# Altium PCB TC264PCB.PcbDoc (continued)
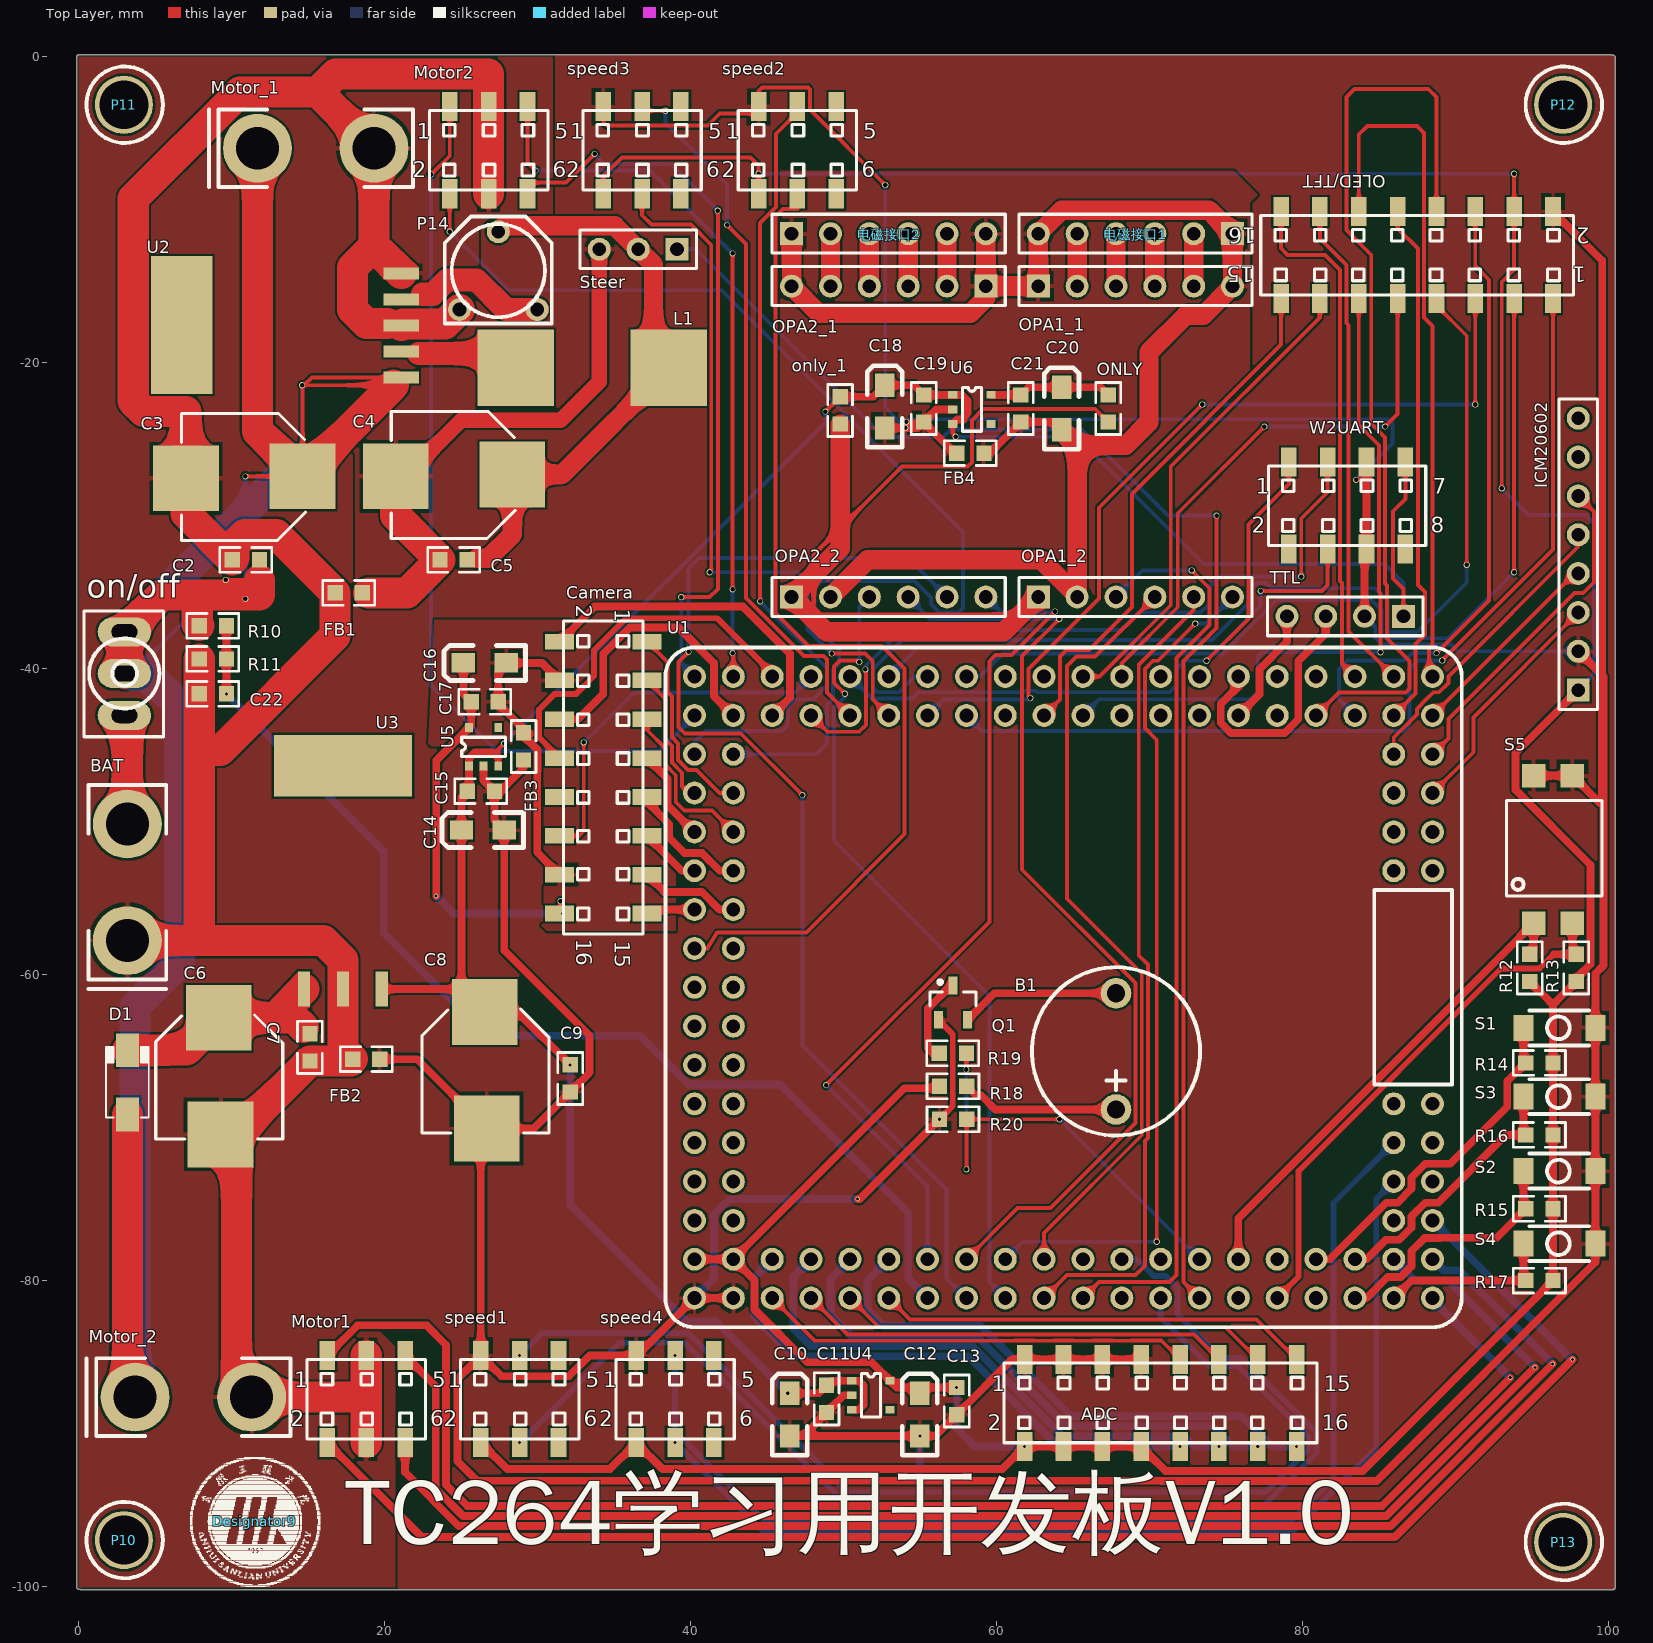
[diagram p0: Top Layer view]
## Nets (pads, with @x,y where several pads share a name; then routed paths per layer and width w, separated by ;. In a path a pad name is that pad's centre, name@x,y a point inside that pad or via, vN(x,y) a via of type N, cw(c..) or ccw(c..) an arc to the next point about the centre after c; other vN are vias at no path point) (continued)
  Bottom Layer w0.254: v1(33.731,-6.34) 34.392,-7 38.735,-7 v1(41.783,-10.048) ; v1(39.395,-35.321) 39.395,-39.649 U1.96
02.7: Motor2.2 U1.97 | length 77.9
  Top Layer w0.254: v1(24.257,-11.42) Motor2.2
  Bottom Layer w0.254: v1(24.257,-11.42) 28.092,-15.255 42.012,-15.255 57.81,-31.054 57.81,-36.033 57.506,-36.337 56.286,-36.337 55.728,-35.779 55.728,-35.349 54.633,-34.255 48.565,-34.255 48.108,-34.712 48.108,-37.176 49.708,-38.776 49.708,-39.69 49.327,-40.071 49.327,-41.951 48.92,-42.357 48.92,-44.897 48.225,-45.593 U1.97
02.8: speed2.3 U1.98 | length 52.4
  Top Layer w0.254: v1(44.552,-35.601) 44.552,-10.861 45.593,-9.82 45.593,-5.019 46.99,-3.622 speed2.3
  Bottom Layer w0.254: U1.98 40.259,-44.796 40.97,-44.084 45.974,-44.084 46.38,-43.678 46.38,-42.459 46.838,-42.002 48.006,-42.002 48.908,-41.099 48.908,-39.958 v1(44.552,-35.601)
10.1: speed3.4 U1.85 | length 47
  Top Layer w0.254: speed3.4 36.83,-10.353 37.44,-10.963 40.03,-10.963 41.354,-12.287 41.354,-33.591 v1(41.25,-33.696) ; v1(49.225,-39.004) 51.41,-39.004 51.918,-39.512 51.918,-42.012 U1.85
  Bottom Layer w0.254: v1(41.25,-33.696) 47.015,-33.696 47.65,-34.331 47.65,-37.43 v1(49.225,-39.004)
10.2: U1.86 W2UART.4 | length 34.1
  Top Layer w0.254: v1(77.279,-34.915) 81.28,-34.915 81.661,-34.534 W2UART.4
  Bottom Layer w0.254: U1.86 54.874,-38.598 74.577,-38.598 77.279,-35.896 v1(77.279,-34.915)
10.3: speed3.3 U1.87 | length 47.1
  Top Layer w0.254: speed3.3 36.83,-3.521 v1(38.354,-3.521) ; v1(42.393,-10.988) 43.637,-12.233 43.637,-35.39 47.43,-39.182 48.692,-39.182 48.92,-39.411 48.92,-41.554 U1.87
  Bottom Layer w0.254: v1(38.354,-3.521) 38.354,-4.308 42.393,-8.347 v1(42.393,-10.988)
10.5: U1.88 W2UART.1 | length 40.9
  Top Layer w0.254: v1(73.74,-39.484) 76.479,-36.744 76.479,-30.572 79.121,-27.93 W2UART.1
  Bottom Layer w0.254: U1.88 51.855,-41.949 54.512,-41.949 54.918,-41.542 61.773,-41.542 61.876,-41.439 62.589,-41.439 62.693,-41.542 71.323,-41.542 71.768,-41.097 71.768,-40.02 72.305,-39.484 v1(73.74,-39.484)
10.6: U1.89 W2UART.3 | length 47.9
  Top Layer w0.254: U1.89 48.951,-44.125 51.013,-44.125 51.46,-43.678 51.46,-40.071 v1(51.435,-40.046) ; v1(79.934,-33.975) 79.934,-30.191 81.661,-28.463 W2UART.3
  Bottom Layer w0.254: v1(51.435,-40.046) 51.435,-39.843 53.797,-37.48 68.148,-37.48 69.293,-36.335 73.355,-36.335 73.927,-35.763 73.927,-34.622 74.574,-33.975 v1(79.934,-33.975)
11.9: OLED/TFT.1 U1.81 | length 62.3
  Top Layer w0.254: v1(89.148,-39.462) 96.393,-32.217 OLED/TFT.1
  Bottom Layer w0.254: U1.81 59.07,-44.084 86.614,-44.084 87.02,-43.678 87.02,-40.02 87.579,-39.462 v1(89.148,-39.462)
11.10: OLED/TFT.3 U1.82 | length 59.5
  Top Layer w0.254: v1(93.853,-33.696) OLED/TFT.3
  Bottom Layer w0.254: U1.82 58.915,-40.513 60.423,-39.004 74.828,-39.004 78.308,-35.525 84.531,-35.525 85.178,-36.172 85.178,-37.785 85.405,-38.012 89.537,-38.012 v1(93.853,-33.696)
11.11: OLED/TFT.5 U1.83 | length 56
  Top Layer w0.254: v1(62.223,-41.919) 62.09,-41.785 62.09,-40.02 66.7,-35.41 66.7,-29.479 v1(73.457,-22.723) ; v1(91.313,-22.723) OLED/TFT.5
  Bottom Layer w0.254: U1.83 56.601,-41.951 56.674,-42.024 62.217,-42.024 62.223,-42.017 v1(62.223,-41.919) ; v1(73.457,-22.723) v1(91.313,-22.723)
11.12: OLED/TFT.7 U1.84 | length 70.1
  Top Layer w0.254: OLED/TFT.7 88.773,-16.246 90.754,-18.227 v1(90.754,-33.213)
  Bottom Layer w0.254: U1.84 54.651,-40.513 53.621,-41.542 52.222,-41.542 51.93,-41.25 51.93,-40.02 53.835,-38.115 74.084,-38.115 76.479,-35.72 76.479,-34.94 77.013,-34.407 77.648,-34.407 77.978,-34.737 84.746,-34.737 85.585,-35.575 85.585,-37.48 85.71,-37.605 87.518,-37.605 90.754,-34.37 v1(90.754,-33.213)
13.0: OLED/TFT.9 U1.74 | length 36.8
  Top Layer w0.254: U1.74 68.199,-39.639 71.857,-35.982 71.857,-29.835 v1(77.521,-24.171) ; v1(85.42,-24.171) 86.233,-23.358 OLED/TFT.9
  Bottom Layer w0.254: v1(77.521,-24.171) v1(85.42,-24.171)
13.1: OLED/TFT.11 U1.75 | length 46.2
  Top Layer w0.254: OLED/TFT.11 83.693,-24.069 85.014,-25.39 85.014,-34.969 85.115,-35.071 v1(85.115,-38.928)
  Bottom Layer w0.254: U1.75 66.71,-42.002 76.606,-42.002 77.089,-41.519 77.089,-39.208 77.368,-38.928 v1(85.115,-38.928)
13.2: OLED/TFT.13 U1.76 | length 31.8
  Top Layer w0.254: U1.76 66.741,-40.513 71.399,-35.855 71.399,-26.787 81.153,-17.033 OLED/TFT.13
13.3: OLED/TFT.15 U1.77 | length 34.5
  Top Layer w0.254: U1.77 64.16,-42.012 64.16,-39.208 64.595,-38.773 66.043,-38.773 68.859,-35.956 68.859,-28.565 78.613,-18.811 OLED/TFT.15
14.0: TTL.4 U1.67 | length 7.8
  Top Layer w0.508: U1.67 77.203,-41.669 77.203,-40.034 78.994,-38.243 TTL.4
14.1: TTL.3 U1.68 | length 16.7
  Top Layer w0.508: U1.68 75.819,-41.148 74.663,-42.304 74.663,-43.532 75.34,-44.209 78.838,-44.209 79.743,-43.305 79.743,-39.497 81.534,-37.706 TTL.3
15.0: OLED/TFT.12 U1.58 | length 45.8
  Top Layer w0.254: OLED/TFT.12 83.693,-5.07 84.252,-4.511 87.503,-4.511 87.96,-4.968 87.96,-17.033 88.519,-17.592 88.519,-38.43 88.291,-38.658 88.291,-39.941 88.519,-39.941 U1.58
15.1: OLED/TFT.10 U1.59 | length 34.5
  Top Layer w0.254: U1.59 87.415,-41.617 87.415,-38.381 88.012,-37.784 88.012,-34.992 87.554,-34.534 87.554,-12.538 86.233,-11.217 OLED/TFT.10
15.2: OLED/TFT.14 U1.60 | length 32.4
  Top Layer w0.254: OLED/TFT.14 81.153,-11.877 82.88,-13.604 82.88,-17.389 83.033,-17.541 83.033,-37.567 U1.60
15.3: OLED/TFT.6 U1.61 | length 40.9
  Top Layer w0.254: v1(88.773,-38.979) 92.202,-35.55 92.202,-14.57 91.313,-13.681 OLED/TFT.6
  Bottom Layer w0.254: U1.61 82.398,-42.012 82.398,-40.02 82.956,-39.462 86.698,-39.462 87.181,-38.979 v1(88.773,-38.979)
15.4: OLED/TFT.16 U1.62 | length 33.8
  Top Layer w0.254: OLED/TFT.16 78.613,-12.512 79.045,-12.944 81.483,-12.944 82.474,-13.935 82.474,-34.28 82.601,-34.407 82.601,-39.675 U1.62
15.5: OLED/TFT.8 U1.63 | length 61
  Top Layer w0.254: U1.63 82.408,-41.544 86.766,-41.544 87.008,-41.302 87.008,-39.487 85.547,-38.026 85.547,-34.559 85.42,-34.432 85.42,-24.882 84.506,-23.968 84.506,-12.944 82.88,-11.318 82.88,-2.632 83.414,-2.098 88.24,-2.098 88.773,-2.632 OLED/TFT.8
20.0: speed4.4 U1.44 | length 68.4
  Bottom Layer w0.381: v2(38.989,-90.607) 44.775,-96.393 79.375,-96.393 84.836,-90.932 84.836,-74.676 U1.44
20.3: speed4.3 U1.46 | length 75.3
  Bottom Layer w0.381: v2(38.989,-84.907) 38.989,-89.853 44.996,-95.86 79.146,-95.86 82.042,-92.964 82.042,-74.93 U1.46
20.11: ICM20602.3 U1.54 | length 15.8
  Top Layer w0.254: U1.54 91.186,-45.466 91.186,-43.18 ICM20602.3
20.12: ICM20602.5 U1.55 | length 19.6
  Top Layer w0.254: U1.55 85.979,-44.509 87.49,-42.998 87.49,-42.627 88.093,-42.024 88.574,-41.542 88.945,-41.542 89.548,-40.939 89.548,-40.515 98.044,-32.02 ICM20602.5
20.13: ICM20602.6 U1.56 | length 22
  Top Layer w0.254: U1.56 89.548,-44.564 89.548,-43.294 97.79,-35.052 98.37,-35.052 99.073,-34.349 99.073,-29.731 ICM20602.6
20.14: ICM20602.4 U1.57 | length 13.4
  Top Layer w0.254: U1.57 97.79,-33.782 ICM20602.4
21.2: Motor1.5 U1.38 | length 98.3
  Top Layer w0.508: Motor1.5 23.343,-86.914 23.343,-93.619 25.126,-95.402 85.491,-95.402 v2(95.209,-85.684)
  Bottom Layer w0.508: U1.38 87.363,-79.997 89.522,-79.997 v2(95.209,-85.684)
21.3: Motor1.1 U1.39 | length 99.2
  Top Layer w0.508: Motor1.1 18.232,-82.931 22.733,-82.931 24.003,-84.201 24.003,-93.345 25.4,-94.742 85.217,-94.742 v2(93.599,-86.36)
  Bottom Layer w0.508: U1.39 88.519,-81.28 v2(93.599,-86.36)
21.4: Motor1.6 U1.40 | length 93.5
  Top Layer w0.508: Motor1.6 21.336,-92.546 24.853,-96.063 85.764,-96.063 v2(96.374,-85.452)
  Bottom Layer w0.508: U1.40 89.242,-79.336 90.258,-79.336 v2(96.374,-85.452)
21.5: Motor1.2 U1.41 | length 101.7
  Top Layer w0.508: Motor1.2 22.423,-96.774 86.059,-96.774 v2(97.667,-85.165)
  Bottom Layer w0.508: U1.41 97.611,-85.165 v2(97.667,-85.165)
22.0: R14.2 S1.1 U1.34 | length 22.8
  Top Layer w0.508: U1.34 81.804,-78.613 85.5,-74.917 86.231,-74.917 87.135,-74.012 87.135,-73.281 88.04,-72.377 89.675,-72.377 93.408,-68.644 93.408,-66.967 94.599,-65.776 R14.2 94.465,-65.626 S1.1
22.1: R15.2 S2.1 U1.35 | length 16.7
  Top Layer w0.508: U1.35 84.201,-81.153 85.585,-79.769 86.458,-79.769 87.135,-79.092 87.135,-78.092 87.998,-77.229 88.998,-77.229 89.011,-77.216 92.71,-77.216 R15.2 94.465,-75.161 S2.1
22.2: R16.2 S3.1 U1.36 | length 18.1
  Top Layer w0.254: R16.2@94.465,-70.335 94.465,-70.399 94.869,-70.399 94.869,-70.485 R16.2
  Top Layer w0.508: U1.36 84.201,-78.613 85.471,-77.343 86.344,-77.343 87.135,-76.552 87.135,-75.821 88.04,-74.917 88.884,-74.917 93.316,-70.485 R16.2 ; R16.2@94.465,-70.335 S3.1
22.3: R17.2 S4.1 U1.37 | length 11.7
  Top Layer w0.254: R17.2@94.465,-79.86 94.615,-79.86 94.615,-79.997 R17.2
  Top Layer w0.508: U1.37 86.008,-81.153 87.165,-79.997 94.615,-79.997 R17.2 ; R17.2@94.465,-79.86 S4.1
33.6: speed1.4 U1.24 | length 80.4
  Bottom Layer w0.381: v2(28.829,-90.607) 35.362,-84.074 39.624,-84.074 50.292,-94.742 77.462,-94.742 80.924,-91.28 80.924,-89.949 76.04,-85.065 74.709,-85.065 71.832,-82.187 71.832,-80.468 71.07,-79.706 70.286,-79.706 69.193,-78.613 U1.24
33.7: speed1.3 U1.25 | length 72.7
  Bottom Layer w0.381: v2(28.829,-84.907) 30.297,-83.439 39.847,-83.439 50.261,-93.853 77.597,-93.853 80.391,-91.059 80.391,-90.17 75.819,-85.598 73.914,-85.598 70.739,-82.423 70.739,-81.915 U1.25
33.9: Steer.1 U1.27 | length 95.4
  Top Layer w0.254: U1.27 72.238,-80.112 72.238,-39.487 74.397,-37.328 v1(74.397,-29.987)
  Bottom Layer w0.254: Steer.1 40.345,-12.573 52.629,-24.857 56.515,-24.857 57.023,-24.349 65.583,-24.349 71.222,-29.987 v1(74.397,-29.987)
33.10: R19.1 R20.1 U1.28 | length 29.9
  Top Layer w0.254: v1(58.039,-72.736) 58.055,-72.72 R20.1 v1(64.125,-69.459) ; v1(58.039,-66.208) R19.1
  Bottom Layer w0.254: v1(58.039,-72.736) v1(58.039,-66.208) ; v1(64.125,-69.459) U1.28
33.12: R12.2 S5.1 U1.30 | length 32.3
  Top Layer w0.254: R12.2 94.869,-58.42 R12.2@95.123,-58.42
  Top Layer w0.508: U1.30 75.819,-75.946 S5.1 R12.2@95.123,-58.42
33.13: R13.2 S5.2 U1.31 | length 35.2
  Top Layer w0.254: R13.2@97.663,-58.42 97.917,-58.42 R13.2
  Top Layer w0.381: U1.31 79.756,-79.756 79.756,-72.853 93,-59.609 95.509,-59.609 96.444,-58.674
  Top Layer w0.508: 96.444,-58.674 R13.2 ; R13.2@97.663,-58.42 S5.2
A0: OPA1_2.3 U1.21 | length 59.9
  Top Layer w0.254: U1.21 66.71,-80.102 71.323,-80.102 71.78,-79.644 71.78,-39.309 73.939,-37.15 73.939,-34.737 v1(72.771,-33.569)
  Bottom Layer w0.254: OPA1_2.3 69.555,-33.569 v1(72.771,-33.569)
A1: OPA1_2.4 U1.20 | length 51.1
  Top Layer w0.254: U1.20 63.119,-76.895 69.504,-70.51 69.504,-59.929 64.618,-55.042 64.618,-39.822 65.227,-39.212 66.452,-39.212 OPA1_2.4
A2: OPA1_2.5 U1.19 | length 53
  Top Layer w0.254: U1.19 64.618,-79.654 69.095,-79.654 69.71,-79.039 69.71,-70.879 69.91,-70.678 69.91,-59.344 69.303,-58.737 69.303,-39.754 72.898,-36.16 OPA1_2.5
A3: OPA1_2.6 U1.18 | length 55.8
  Top Layer w0.254: v1(70.485,-77.47) 70.485,-44.657 69.71,-43.881 69.71,-40.02 70.246,-39.484 70.565,-39.484 v1(73,-37.049)
  Bottom Layer w0.254: U1.18 61.722,-77.47 v1(70.485,-77.47) ; v1(73,-37.049) 73.695,-37.049 OPA1_2.6
A4: OPA2_2.3 U1.17 | length 52.9
  Top Layer w0.254: v1(50.089,-41.639) 49.378,-40.927 49.378,-39.868 49.784,-39.462 50.927,-39.462 v1(51.029,-39.563)
  Bottom Layer w0.254: v1(50.089,-41.639) 50.089,-41.849 49.378,-42.56 49.378,-51.247 59.538,-61.407 59.538,-80.112 U1.17 ; v1(51.029,-39.563) 51.029,-35.966 OPA2_2.3
A5: OPA2_2.4 U1.16 | length 62.3
  Top Layer w0.254: U1.16 61.376,-75.276 63.525,-75.276 69.097,-69.704 69.097,-60.564 61.683,-53.149 61.683,-39.17 v1(64.11,-36.744)
  Bottom Layer w0.254: OPA2_2.4 55.667,-36.744 v1(64.11,-36.744)
A6: OPA2_2.5 U1.15 | length 76.2
  Top Layer w0.254: v1(39.878,-38.903) 39.218,-39.563 39.218,-43.83 39.624,-44.237 43.282,-44.237 v1(47.315,-48.271)
  Bottom Layer w0.254: v1(39.878,-38.903) 39.878,-33.416 40.538,-32.756 54.219,-32.756 OPA2_2.5 ; v1(47.315,-48.271) 47.315,-64.633 56.744,-74.061 56.744,-79.858 U1.15
A7: OPA2_2.6 U1.14 | length 56.9
  Top Layer w0.254: v1(48.87,-67.224) 59.538,-56.556 59.538,-39.512 59.944,-39.106 60.985,-39.106 v1(63.83,-36.261)
  Bottom Layer w0.254: v1(48.87,-67.224) 55.499,-73.853 U1.14 ; OPA2_2.6 60.34,-36.337 63.754,-36.337 v1(63.83,-36.261)
A8: C22.2 R10.2 R11.1 U1.13 | length 72.3
  Top Layer w0.508: v2(9.652,-41.646) R11.1 R10.2
  Bottom Layer w0.508: v2(9.652,-41.646) 19.939,-51.933 19.939,-57.277 26.67,-64.008 36.703,-64.008 39.878,-67.183 45.847,-67.183 54.229,-75.565 54.229,-79.883 U1.13
A10: ADC.16 U1.12 | length 35.7
  Bottom Layer w0.508: U1.12 51.575,-79.997 51.575,-81.915 52.578,-82.918 52.578,-82.982 58.987,-82.982 64.885,-88.88 76.042,-88.88 78.023,-90.861 v2(79.629,-90.861)
A11: ADC.15 U1.11 | length 28.3
  Top Layer w0.254: U1.11 54.356,-82.55 77.018,-82.55 ADC.15
A12: ADC.14 U1.10 | length 35.7
  Bottom Layer w0.508: U1.10 49.149,-79.883 49.149,-82.245 50.546,-83.642 58.713,-83.642 64.611,-89.54 74.162,-89.54 75.483,-90.861 v2(77.089,-90.861)
A13: ADC.13 U1.9 | length 28.3
  Top Layer w0.254: U1.9 52.324,-83.058 74.986,-83.058 ADC.13
A16: ADC.12 U1.8 | length 36
  Bottom Layer w0.508: U1.8 46.736,-79.756 46.736,-80.647 46.723,-80.661 46.723,-83.146 47.879,-84.303 58.44,-84.303 64.338,-90.201 72.283,-90.201 72.943,-90.861 v2(74.549,-90.861)
A17: ADC.11 U1.7 | length 28.4
  Top Layer w0.254: U1.7 50.267,-83.541 61.04,-83.541 61.055,-83.525 62.643,-83.525 62.658,-83.541 63.58,-83.541 63.595,-83.525 65.183,-83.525 65.198,-83.541 66.12,-83.541 66.135,-83.525 67.723,-83.525 67.738,-83.541 68.66,-83.541 68.675,-83.525 72.913,-83.525 ADC.11
A20: ADC.10 U1.6 | length 35.6
  Bottom Layer w0.508: U1.6 44.196,-79.756 44.196,-80.647 44.183,-80.661 44.183,-82.41 46.736,-84.963 58.166,-84.963 64.064,-90.861 v2(72.009,-90.861)
A21: ADC.9 U1.5 | length 28.4
  Top Layer w0.254: U1.5 48.133,-83.947 61.208,-83.947 61.223,-83.932 62.475,-83.932 62.49,-83.947 63.748,-83.947 63.763,-83.932 65.015,-83.932 65.03,-83.947 66.288,-83.947 66.303,-83.932 67.555,-83.932 67.57,-83.947 68.828,-83.947 68.843,-83.932 70.78,-83.932 ADC.9
GND5V: ADC.1 ADC.3 ADC.5 ADC.7 C8.2 C9.1 C10.2 C11.1 C12.2 C13.1 C14.2 C15.1 C18.2 C19.1 FB2.2 FB3.1 FB4.1 ICM20602.2 OLED/TFT.2 Q1.1 R20.2 S1.2 S2.2 S3.2 S4.2 S5.3 S5.4 speed1.1 speed2.1 speed3.1 speed4.1 TTL.2 U1.1 U1.3 U4.2 U5.2 U6.2 W2UART.5 W2UART.6 | length 435.2
  Top Layer w0.254: speed3.1 34.29,-4.257 34.519,-4.486 41.123,-4.486 41.91,-3.698 44.45,-3.698 speed2.1 44.45,-2.225 44.679,-1.997 47.676,-1.997 47.803,-2.124 47.803,-3.444 v1(52.73,-8.372) ; C18.2 v1(54.051,-24.257) ; v1(54.102,-23.866) 55.362,-23.866 FB4.1 ; v1(83.515,-27.651) 84.074,-27.651 84.201,-27.524 W2UART.5 ; ICM20602.2 99.47,-40.288 99.47,-48.797
  Top Layer w0.381: Q1.1 57.15,-63.901 57.15,-68.586 v2(56.277,-69.459)
  Top Layer w0.508: FB2.2 22.133,-65.532 C8.2 ; U5.2 26.467,-47.295 C15.1 ; FB3.1 29.083,-46.482 27.559,-48.006 C15.1 ; U1.3 U1.1 36.505,-84.907 speed4.1 33.404,-84.907 32.047,-86.263 27.645,-86.263 speed1.1 ; C10.2 47.358,-90.17 ; U4.2 50.025,-87.504 C11.1 47.358,-90.17 ; v2(50.927,-74.676) 51.06,-74.676 v2(56.277,-69.459) ; C18.2 54.864,-24.257 C19.1 ; U6.2 56.073,-23.048 C19.1 ; FB4.1 57.277,-25.908 C19.1 ; ADC.7 ADC.5 ADC.3 ADC.1 61.016,-85.161 C13.1 56.007,-90.17 v2(54.991,-90.17) 47.358,-90.17 ; TTL.2 84.074,-32.314 W2UART.6 W2UART.5 ; S5.4 S5.3 99.47,-48.797 ; OLED/TFT.2 99.607,-13.318 99.607,-40.211 99.5,-40.318 ; ICM20602.2 99.5,-40.318 ; speed1.1 24.765,-86.431 24.765,-91.821 26.035,-93.091 v2(54.991,-93.091) 70.765,-93.091 70.79,-93.116 84.861,-93.116 99.164,-78.814 S4.2 S2.2 S3.2 S1.2 99.164,-59.936 99.695,-59.405 99.695,-40.513 99.5,-40.318 ; speed1.1 26.289,-70.45 C8.2 ; C8.2 29.743,-70.069 C9.1 33.401,-66.411 33.401,-64.008 27.813,-58.42 C14.2 27.178,-49.911 C15.1
  Bottom Layer w0.254: v1(52.73,-8.372) 52.73,-22.936 v1(54.051,-24.257) ; v1(54.102,-23.866) 54.277,-23.691 85.623,-23.691 85.9,-23.968 85.9,-25.266 v1(83.515,-27.651) ; TTL.2 84.772,-37.274 84.772,-37.988 85.213,-38.43 89.729,-38.43 90.162,-38.862 ICM20602.2
  Bottom Layer w0.508: U1.1 41.529,-79.883 41.529,-75.692 42.532,-74.689 43.278,-74.689 43.291,-74.676 v2(50.927,-74.676) ; v2(54.991,-93.091) v2(54.991,-90.17)
GND_6.5V: C4.2 C5.1 FB1.2 Steer.3 | length 37.2
  Top Layer w0.254: FB1.2 FB1.2@18.948,-35.042
  Top Layer w1.016: C4.2 21.346,-27.422 25.019,-23.749 31.52,-23.749 34.036,-21.233 Steer.3
  Top Layer w2.032: FB1.2@18.948,-35.042 21.463,-35.042 C5.1 20.726,-29.987 C4.2
GNDBAT: BAT.1 C2.1 C3.2 C6.2 C7.1 C22.1 FB1.1 FB2.1 Motor1.3 Motor1.4 Motor2.3 Motor2.4 Motor_1.2 Motor_2.2 P14.1 R11.2 U2.3 U2.5 U3.2 | length 206.2
  Top Layer w0.254: BAT.1 5.613,-57.775 5.74,-57.648 7.874,-57.648 ; C6.2 14.072,-65.649 C7.1 ; U2.3@20.193,-17.423 20.193,-17.555 U2.3
  Top Layer w2.032: BAT.1 15.992,-57.775 17.272,-59.055 U3.2 17.272,-64.897 FB2.1 17.79,-65.649 C7.1 10.312,-70.45 10.312,-86.639 Motor_2.2 18.542,-87.63 18.796,-87.884 ; 7.874,-57.648 7.874,-45.339 ; R11.2 C22.1 7.874,-45.339 ; Motor1.4 18.796,-87.884 ; Motor1.3 18.796,-87.884 ; U2.3@20.193,-17.423 18.82,-17.423 17.907,-16.51 17.907,-13.774 19.304,-12.377 ; U2.3 21.181,-17.456 23.946,-17.456 P14.1 ; U2.5 19.304,-12.377 ; Motor2.4 Motor2.3 26.797,-1.128 16.779,-1.128 15.621,-2.286 ; 7.874,-45.339 9.271,-45.339 16.764,-37.846 FB1.1 12.937,-31.215 10.827,-31.215 10.143,-31.899 10.143,-32.773 C2.1 7.01,-29.86 C3.2 7.01,-23.194 4.247,-23.194 3.563,-22.51 3.563,-9.256 10.533,-2.286 15.621,-2.286 ; 15.621,-2.286 Motor_1.2 19.304,-12.377
GNDCAM: C16.2 C17.1 Camera.4 Camera.14 FB3.2 | length 20.5
  Top Layer w0.254: FB3.2 FB3.2@29.464,-44.196
  Top Layer w0.508: FB3.2 29.083,-44.399 29.989,-45.306 29.989,-46.66 29.972,-46.677 29.972,-51.999 Camera.14 ; FB3.2@29.464,-44.196 29.464,-44.323 27.432,-42.291 C17.1 27.432,-40.132 C16.2 30.297,-39.624 Camera.4
GNDOP: C20.2 C21.1 FB4.2 OPA1_1.1 OPA1_1.6 OPA1_2.2 OPA2_1.1 OPA2_1.6 OPA2_2.2 电磁接口1.1 电磁接口1.6 电磁接口2.1 电磁接口2.6 | length 98.5
  Top Layer w0.508: FB4.2 59.563,-25.908 C21.1 63.754,-23.876 C20.2
  Top Layer w1.27: 电磁接口2.1 OPA2_1.6 48.387,-16.764 58.293,-16.764 59.309,-15.748 OPA2_1.1 ; OPA2_2.2 51.572,-32.883 62.929,-32.883 OPA1_2.2@65.278,-35.232 ; 电磁接口2.6 OPA2_1.1 ; C20.2 65.278,-25.4 ; OPA1_2.2 OPA1_2.2@65.278,-35.232 ; OPA2_1.1 OPA1_1.1 电磁接口1.6 64.275,-10.02 73.901,-10.02 电磁接口1.1 OPA1_1.6 73.533,-16.891 72.39,-16.891 69.977,-19.304 69.977,-23.876 68.453,-25.4 65.278,-25.4 ; OPA1_2.2@65.278,-35.232 65.278,-25.4
NetB1_1: B1.1 R18.2 | length 10.4
  Top Layer w0.508: R18.2 58.647,-67.892 58.997,-67.892 59.929,-68.824 B1.1
NetB1_2: B1.2 Q1.2 | length 10.4
  Top Layer w0.508: Q1.2 59.859,-61.224 B1.2
NetBAT_2: BAT.2 on/off.1 | length 7.9
  Top Layer w0.254: on/off.1 3.48,-43.053 3.48,-43.145 3.175,-43.145 on/off.1@3.175,-43.244
  Top Layer w2.032: BAT.2 on/off.1@3.175,-43.244
NetC6_1: C6.1 C7.2 D1.2 U3.1 | length 17
  Top Layer w0.254: C7.2@14.707,-63.465 14.275,-63.465 14.275,-63.871 C7.2
  Top Layer w2.032: D1.2 7.028,-64.946 C6.1 12.852,-62.83 ; C7.2@14.707,-63.465 14.072,-62.83 12.852,-62.83 ; U3.1 12.852,-62.83
NetL1_1: L1.1 U2.2 | length 8.6
  Top Layer w0.254: U2.2 22.225,-19.255 U2.2@22.225,-19.387 ; L1.1@27.642,-20.32 L1.1@27.642,-19.387
  Top Layer w1.524: U2.2@22.225,-19.387 L1.1@27.642,-19.387
  Top Layer w2.032: L1.1@27.642,-20.32 L1.1
NetOPA1_1_2: OPA1_1.2 电磁接口1.5 | length 3.4
  Top Layer w1.27: OPA1_1.2 电磁接口1.5
NetOPA1_1_3: OPA1_1.3 电磁接口1.4 | length 3.4
  Top Layer w1.27: OPA1_1.3 电磁接口1.4
NetOPA1_1_4: OPA1_1.4 电磁接口1.3 | length 3.4
  Top Layer w1.27: OPA1_1.4 电磁接口1.3
NetOPA1_1_5: OPA1_1.5 电磁接口1.2 | length 3.4
  Top Layer w1.27: OPA1_1.5 电磁接口1.2
NetOPA2_1_2: OPA2_1.2 电磁接口2.5 | length 3.4
  Top Layer w1.27: OPA2_1.2 电磁接口2.5
NetOPA2_1_3: OPA2_1.3 电磁接口2.4 | length 3.4
  Top Layer w1.27: OPA2_1.3 电磁接口2.4
NetOPA2_1_4: OPA2_1.4 电磁接口2.3 | length 3.4
  Top Layer w1.27: OPA2_1.4 电磁接口2.3
NetOPA2_1_5: OPA2_1.5 电磁接口2.2 | length 3.4
  Top Layer w1.27: OPA2_1.5 电磁接口2.2
NetP14_2: P14.2 U2.4 | length 10.2
  Top Layer w0.254: U2.4 22.15,-15.855 22.479,-15.526
  Top Layer w1.524: 22.479,-15.526 23.146,-15.526 24.092,-14.58 26,-14.58 27.93,-16.51 P14.2
NetQ1_3: Q1.3 R19.2 | length 5.7
  Top Layer w0.508: R19.2 55.87,-65.141 55.51,-64.781 55.51,-62.224 57.016,-60.717 Q1.3
VCC3V3: ADC.2 ADC.4 ADC.6 ADC.8 C12.1 C13.2 ICM20602.1 OLED/TFT.4 R12.1 R13.1 R14.1 R15.1 R16.1 R17.1 R18.1 speed1.2 speed2.2 speed3.2 speed4.2 U1.2 U1.4 U4.5 | length 278.7
  Top Layer w0.254: speed3.2 34.29,-7.788 35.509,-6.569 43.917,-6.569 44.45,-7.102 v1(44.45,-7.635) speed2.2 ; U4.5 53.594,-86.554 54.416,-87.376 C12.1 ; v1(93.04,-28.209) 93.04,-14.722 93.853,-13.909 OLED/TFT.4 v1(93.853,-7.635) ; 96.203,-61.786 96.393,-61.786 ; 96.393,-61.976 96.393,-61.786 ; R13.1 96.584,-61.786 96.393,-61.786
  Top Layer w0.508: speed1.2 28.011,-92.329 34.727,-92.329 speed4.2 38.171,-92.329 60.381,-92.329 v2(61.849,-90.861) ADC.4 ADC.6 ADC.8 71.064,-92.456 83.947,-92.456 R17.1 R15.1 R16.1 R14.1 96.393,-61.976 ; U1.2 U1.4 ; R18.1 56.14,-67.437 53.975,-67.437 U1.4 ; v2(57.404,-86.995) 53.487,-86.995 U4.5 51.836,-85.344 47.627,-85.344 44.183,-81.899 44.183,-79.997 U1.4 ; R12.1 96.203,-61.786 ; 96.584,-61.786 R13.1 98.171,-60.198 97.968,-60.198 98.839,-59.326 98.839,-52.821 93.947,-47.928 93.947,-45.499 ICM20602.1
  Bottom Layer w0.254: v1(44.45,-7.635) v1(93.853,-7.635) ; v1(93.04,-28.209) 94.793,-29.962 98.552,-29.962 99.085,-30.495 99.085,-40.361 ICM20602.1
  Bottom Layer w0.508: v2(57.404,-86.995) 57.404,-89.662 58.603,-90.861 v2(61.849,-90.861)
VCC5V: C8.1 C9.2 C10.1 C11.2 C14.1 C15.2 C18.1 C19.2 only_1.1 TTL.1 U3.3 U4.1 U4.3 U5.1 U5.3 U6.1 U6.3 W2UART.7 | length 159.6
  Top Layer w0.254: U5.3 27.417,-45.832 27.417,-45.293 v1(27.813,-44.897) ; v2(46.355,-87.376) C10.1 ; v1(48.815,-23.194) only_1.1 ; U6.3 57.15,-24.653 v1(57.328,-24.831) ; TTL.1 86.614,-34.788 85.928,-34.102 85.928,-29.708 86.741,-28.895 W2UART.7
  Top Layer w0.508: U3.3 C8.1@25.044,-60.95 ; 27.417,-45.832 27.051,-45.466 25.908,-45.466 25.517,-45.857 U5.1 25.517,-47.889 C15.2 25.019,-48.387 C14.1 25.019,-60.925 C8.1@25.044,-60.95 ; v2(32.131,-65.903) 28.677,-62.449 C8.1 C8.1@25.044,-60.95 ; C10.1 48.374,-87.376 C11.2 49.197,-86.554 U4.1 50.994,-86.554 51.308,-86.868 51.308,-88.138 50.992,-88.454 U4.3 ; only_1.1 51.943,-22.225 C18.1 54.61,-21.463 C19.2 U6.1 57.729,-22.098 58.116,-22.485 58.116,-23.289 57.861,-23.543 57.861,-23.704 57.444,-23.704 U6.3
  Bottom Layer w0.254: v1(27.813,-44.897) 48.815,-23.895 v1(48.815,-23.194) ; v1(57.328,-24.831) 65.227,-24.831 73.558,-33.162 85.374,-33.162 86.614,-34.402 TTL.1
  Bottom Layer w0.508: v2(32.131,-65.903) 32.131,-75.057 39.751,-82.677 41.656,-82.677 v2(46.355,-87.376)
VCC_6.5V: C4.1 C5.2 L1.2 P14.3 Steer.2 | length 39.3
  Top Layer w0.254: C5.2 26.042,-32.883 26.042,-32.773
  Top Layer w1.27: 26.042,-32.773 26.79,-32.773 28.346,-31.217 C4.1 31.6,-27.295 L1.2 38.575,-19.538 37.579,-18.542 37.579,-13.576 Steer.2 35.039,-11.036 27.826,-11.036 P14.3
VCCBAT: C2.2 C3.1 D1.1 Motor_1.1 Motor_2.1 on/off.2 on/off.3 R10.1 U2.1 | length 185.1
  Top Layer w0.254: 7.747,-35.433 v1(10.897,-35.433) 11.547,-35.433 11.573,-35.179 11.675,-34.194 ; R10.1@7.849,-37.176 7.874,-37.176 R10.1 ; v1(9.611,-34.194) 11.675,-34.194 ; v1(10.897,-27.422) C3.1 14.63,-27.407 14.63,-21.565 v1@14.732,-21.463 ; 11.811,-34.194 11.675,-34.194 ; C2.2 11.675,-34.194 ; v1(14.605,-21.463) v1@14.732,-21.463 ; 20.574,-21.463 v1@14.732,-21.463 ; U2.1 15.24,-20.955 v1@14.732,-21.463
  Top Layer w2.032: on/off.2 on/off.3 5.397,-35.179 11.811,-35.179 11.811,-34.194 ; D1.1 3.175,-87.122 Motor_2.1 ; 7.747,-35.433 7.747,-37.074 R10.1@7.849,-37.176 ; Motor_1.1 11.684,-24.476 C3.1 14.63,-27.407 20.574,-21.463
  Bottom Layer w0.254: on/off.2@3.365,-40.44 v1(9.611,-34.194) ; v1(10.897,-35.433) v1(10.897,-27.422) ; 14.605,-27.432 v1(14.605,-21.463)
  Bottom Layer w2.032: on/off.3 13.144,-27.432 14.605,-27.432 ; on/off.2@3.365,-40.44 4.604,-40.44 6.593,-42.429 6.593,-59.191 3.683,-62.101 Motor_2.1
VCCCAM: C16.1 C17.2 Camera.16 U5.5 | length 26.8
  Top Layer w0.254: Camera.16 31.496,-56.007 v1(31.496,-55.21)
  Top Layer w0.508: v2(23.368,-54.864) 23.368,-46.004 U5.5 25.654,-43.718 C17.2 25.146,-41.656 C16.1
  Bottom Layer w0.254: v1(31.496,-55.21) 31.623,-55.337 v2(31.623,-56.007)
  Bottom Layer w0.508: v2(23.368,-54.864) 24.511,-56.007 v2(31.623,-56.007)
VCCOP: C20.1 C21.2 ONLY.1 U6.5 | length 8.1
  Top Layer w0.508: U6.5 C21.2 62.103,-21.59 C20.1 66.802,-21.59 ONLY.1
VCCOPA: ONLY.2 only_1.2 OPA1_2.1 OPA2_2.1 | length 74.6
  Top Layer w0.254: OPA1_2.1 61.605,-36.439 48.539,-36.439 48.057,-35.956 48.057,-32.545 53.815,-26.787 58.115,-26.787 58.395,-26.508 58.395,-23.764 59.131,-23.028 66.462,-23.028 ONLY.2
  Top Layer w1.27: only_1.2 49.784,-32.131 OPA2_2.1 48.895,-37.592 60.452,-37.592 OPA1_2.1
pads on no net: Camera.10 ICM20602.7 ICM20602.8 P10.0 P11.0 P12.0 P13.0 speed1.5 speed1.6 speed2.5 speed2.6 speed3.5 speed3.6 speed4.5 speed4.6 U1.22 U1.23 U1.26 U1.29 U1.32 U1.33 U1.42 U1.43 U1.45 U1.47 U1.48 U1.49 U1.50 U1.51 U1.52 U1.53 U1.64 U1.65 U1.66 U1.69 U1.70 U1.71 U1.72 U1.73 U1.78 U1.79 U1.80 U1.107 U1.109 U1.110 U1.111 U1.112 U1.113 U1.114 U1.115 U1.116 U1.117 U1.118 U1.119 U1.120 U1.121 U1.122 U2.0 U3.0 U4.4 U5.4 U6.4 W2UART.2 W2UART.8

## Polygon pours and split planes (outlines as drawn)
GND5V on Top Layer "Top Layer-No Net" (solid, remove dead copper, pour order 15): -0.127,-100.066 ccw(c0,-100.066) 0.046,-100.185 ccw(c0.127,-100.086) 0.127,-100.213 100.33,-100.213 ccw(c100.33,-100.086) 100.457,-100.086 100.457,-0.01 ccw(c100.33,-0.01) 100.284,0.109 ccw(c100.203,0.01) 100.203,0.137 0,0.137 ccw(c0,0.01) -0.127,0.01
GNDCAM on Top Layer "Top Layer-GNDCAM" (solid, remove dead copper, pour order 11): 22.86,-44.897 23.033,-45.071 30.394,-45.071 30.394,-56.601 30.226,-56.769 30.607,-57.15 39.03,-57.15 39.03,-35.22 36.512,-32.703 32.409,-36.806 23.241,-36.806
GND_6.5V on Top Layer "Top Layer-GND_6.5V" (solid, remove dead copper, pour order 9): 44.196,-10.353 43.893,-10.051 17.89,-10.051 17.89,-36.051 19.939,-38.1 44.831,-38.1 44.831,-10.845 44.196,-10.21
GNDOP on Top Layer "Top Layer-GNDOP" (solid, remove dead copper, pour order 7): 43.434,-7.432 75.504,-7.432 77.089,-9.017 76.581,-9.525 76.581,-39.106 45.166,-39.106 43.434,-37.374
GNDBAT on Top Layer "Top Layer-GNDBAT" (solid, remove dead copper, pour order 5): 0,0 31.115,0 30.988,-0.127 30.988,-10.287 27.051,-10.287 26.162,-11.176 26.162,-22.987 25.955,-23.194 20.367,-23.194 17.907,-25.654 17.907,-57.785 19.05,-58.928 19.05,-82.677 20.701,-84.328 20.701,-100.076 0,-100.076
GND5V on Bottom Layer "GND5V_L02_P018" (solid, remove dead copper, pour order 18): -0.127,-100.066 ccw(c0,-100.066) 0.046,-100.185 ccw(c0.127,-100.086) 0.127,-100.213 100.33,-100.213 ccw(c100.33,-100.086) 100.457,-100.086 100.457,-0.01 ccw(c100.33,-0.01) 100.284,0.109 ccw(c100.203,0.01) 100.203,0.137 0,0.137 ccw(c0,0.01) -0.127,0.01
GNDOP on Bottom Layer "GNDOP_L02_P017" (solid, remove dead copper, pour order 17): 43.434,-7.432 75.504,-7.432 77.089,-9.017 76.581,-9.525 76.581,-39.106 45.166,-39.106 43.434,-37.374
GNDBAT on Bottom Layer "GNDBAT_L02_P016" (solid, remove dead copper, pour order 16): 0,0 31.115,0 30.988,-0.127 30.988,-10.287 27.051,-10.287 26.162,-11.176 26.162,-22.987 25.955,-23.194 20.367,-23.194 17.907,-25.654 17.907,-57.785 19.05,-58.928 19.05,-82.677 20.701,-84.328 20.701,-100.076 0,-100.076

## Silkscreen, mask and mechanical layers (free items; w line width, h text height)
Top Overlay:
  text "TC264学习用开发板V1.0" at 17.399,-98.679 h7.5
Mechanical 13:
  lines w0.254: 0,-100.066 0,0.01 100.203,0.01 ; 0.127,-100.086 100.33,-100.086 100.33,-0.01

## Text inside footprints (layer, text, board x,y; h text height)
ADC: Top Overlay "2" at 59.436,-89.789 h1.02; Top Overlay "1" at 59.69,-87.249 h1.02; Top Overlay "15" at 81.407,-87.249 h1.02; Top Overlay "16" at 81.28,-89.789 h1.02
Camera: Top Overlay "2" at 32.512,-35.814 h1.02 r270; Top Overlay "1" at 35.052,-36.068 h1.02 r270; Top Overlay "15" at 35.052,-57.785 h1.02 r270; Top Overlay "16" at 32.512,-57.658 h1.02 r270
Motor1: Top Overlay "2" at 13.843,-89.535 h1.02; Top Overlay "1" at 14.097,-86.995 h1.02; Top Overlay "6" at 22.987,-89.535 h1.02; Top Overlay "5" at 23.114,-86.995 h1.02
Motor2: Top Overlay "2" at 21.844,-7.874 h1.02; Top Overlay "1" at 22.098,-5.334 h1.02; Top Overlay "6" at 30.988,-7.874 h1.02; Top Overlay "5" at 31.115,-5.334 h1.02
OLED/TFT: Top Overlay "2" at 98.806,-11.176 h1.02 r180; Top Overlay "1" at 98.552,-13.716 h1.02 r180; Top Overlay "15" at 76.835,-13.716 h1.02 r180; Top Overlay "16" at 76.962,-11.176 h1.02 r180
speed1: Top Overlay "2" at 23.876,-89.535 h1.02; Top Overlay "1" at 24.13,-86.995 h1.02; Top Overlay "6" at 33.02,-89.535 h1.02; Top Overlay "5" at 33.147,-86.995 h1.02
speed2: Top Overlay "2" at 42.037,-7.874 h1.02; Top Overlay "1" at 42.291,-5.334 h1.02; Top Overlay "6" at 51.181,-7.874 h1.02; Top Overlay "5" at 51.308,-5.334 h1.02
speed3: Top Overlay "2" at 31.877,-7.874 h1.02; Top Overlay "1" at 32.131,-5.334 h1.02; Top Overlay "6" at 41.021,-7.874 h1.02; Top Overlay "5" at 41.148,-5.334 h1.02
speed4: Top Overlay "2" at 34.036,-89.535 h1.02; Top Overlay "1" at 34.29,-86.995 h1.02; Top Overlay "6" at 43.18,-89.535 h1.02; Top Overlay "5" at 43.307,-86.995 h1.02
W2UART: Top Overlay "2" at 76.708,-31.115 h1.02; Top Overlay "1" at 76.962,-28.575 h1.02; Top Overlay "7" at 88.519,-28.575 h1.02; Top Overlay "8" at 88.392,-31.115 h1.02